# EAGLE board working (EAGLE 9.6.2), part 14 of 28 (continued)
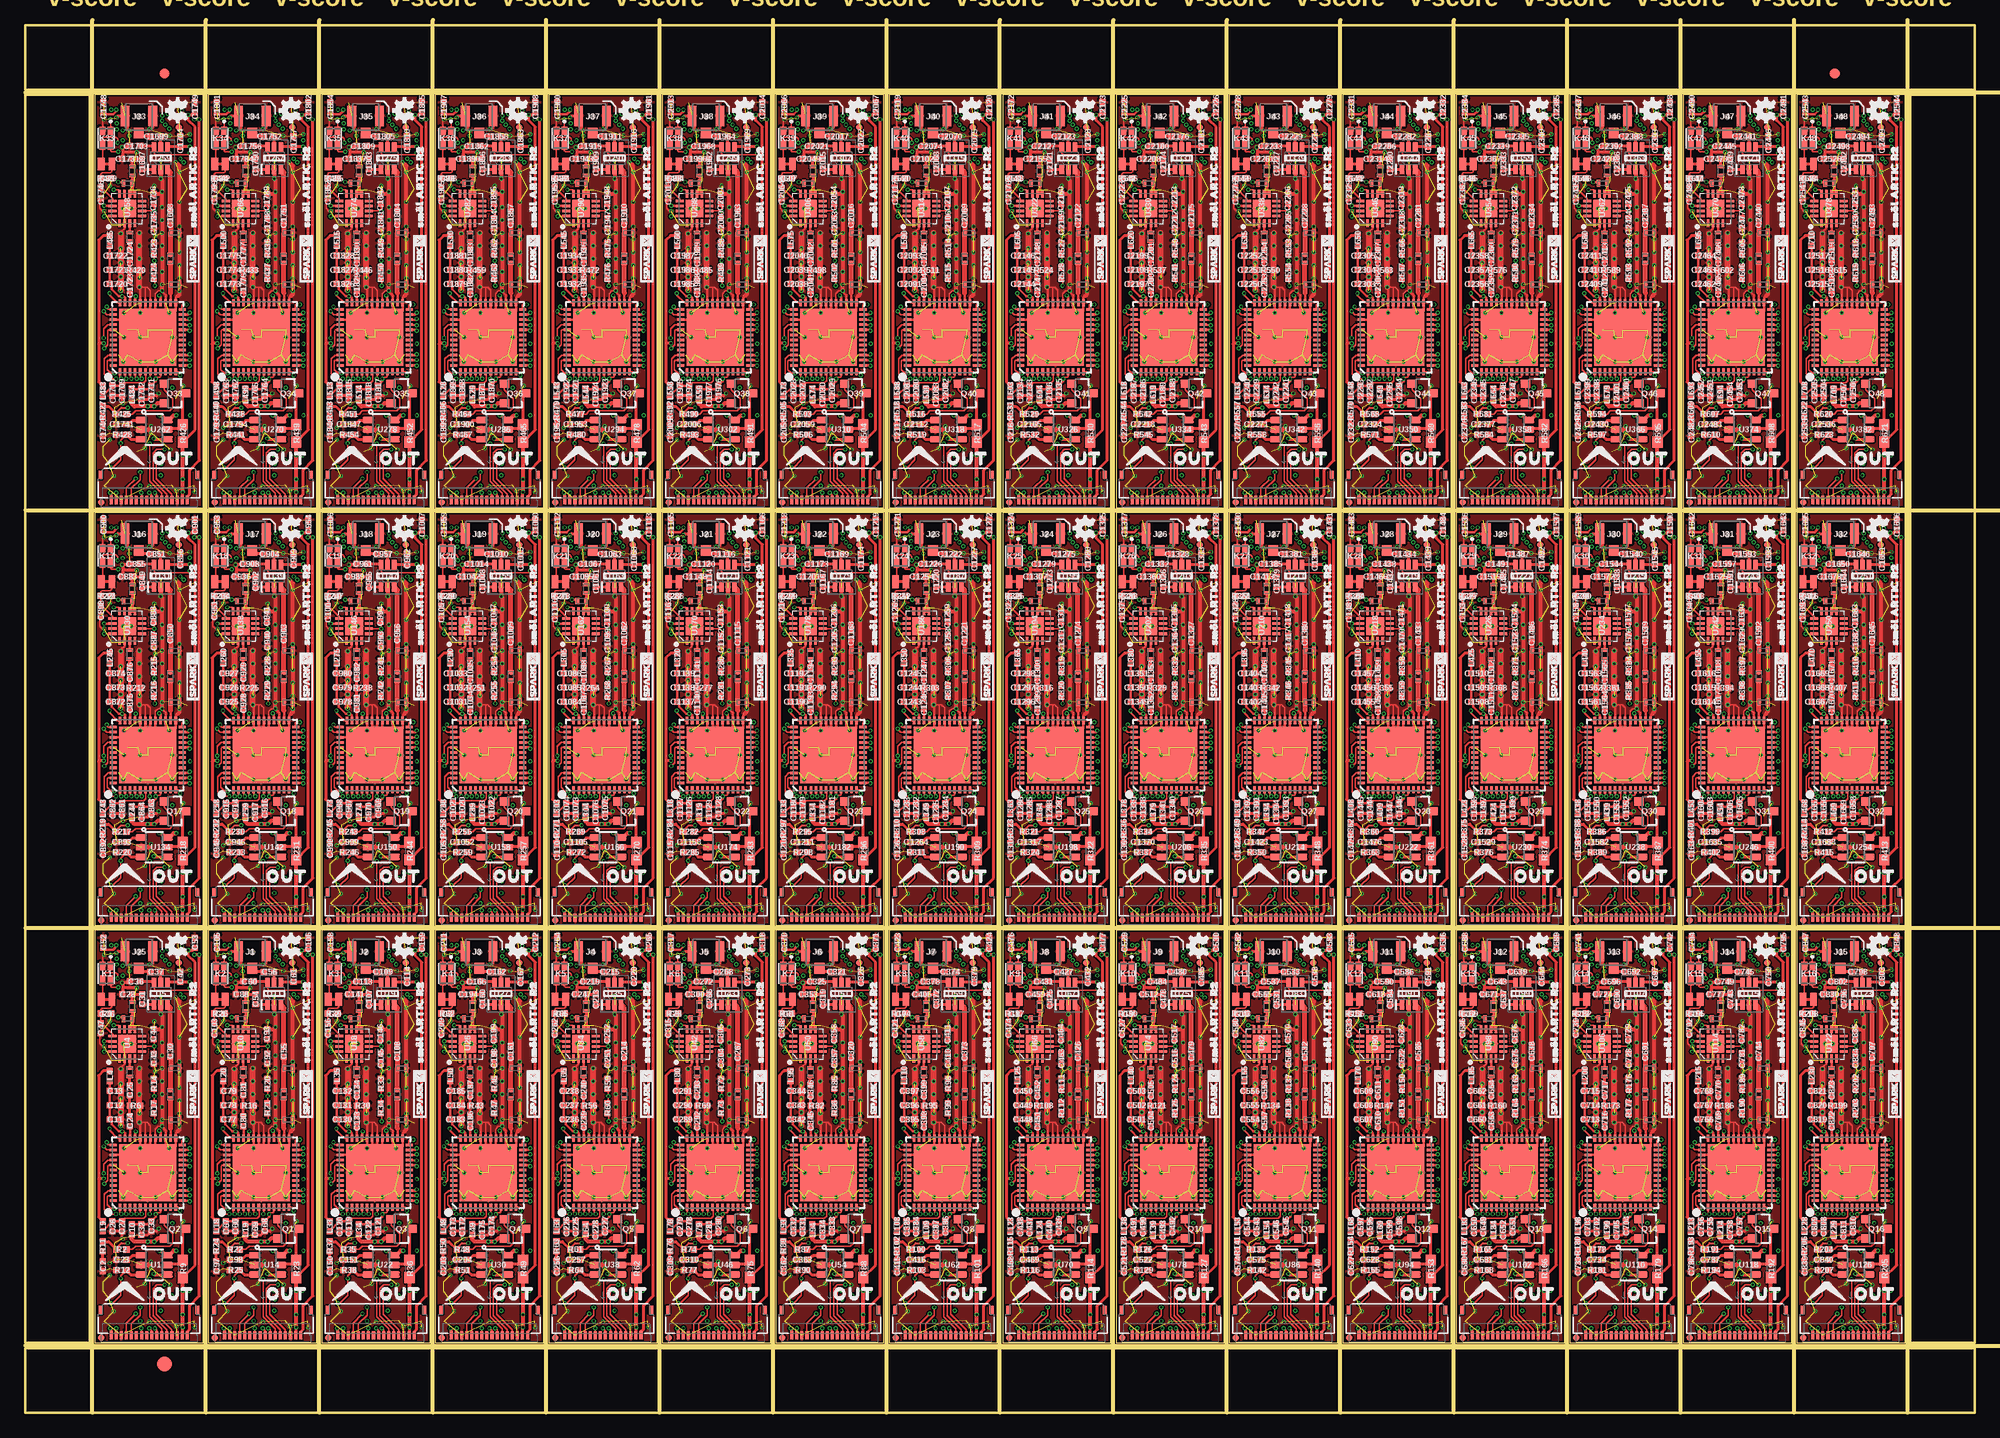
[diagram p0: board, top side]
## Tracks (layer width: path | path; a pad name or v marks a point on that pad's centre or on a via) (continued)
  Top 0.254: U377.15 183.73,104.17 v183.83,104.27
  Bottom 0.152: U383.1 183.76,102.48 183.32,102.92 183.32,103.76 v183.83,104.27 184.66,104.27 184.91,104.52 184.91,106.55 FLSH_CEN47.1
FLSH_SCLK  (via drill 0.2)
  Top 0.152: v15.24,19.88 15.24,20.07 15.08,20.22 U3.12
  Route15 0.152: v16.13,12 13.97,14.16 13.97,19.24 14.61,19.88 v15.24,19.88
  Bottom 0.152: U7.6 14.1,19.18 14.29,19.37 14.29,20.11 14.59,20.42 15,20.42 15.23,20.2 15.23,19.89 v15.24,19.88 | FLSH_SCLK.1 16.19,11.94 v16.13,12
FLSH_SCLK1  (via drill 0.2)
  Top 0.152: v26.42,19.88 26.42,20.07 26.26,20.22 U9.12
  Route15 0.152: v27.3,12 25.15,14.16 25.15,19.24 25.78,19.88 v26.42,19.88
  Bottom 0.152: U15.6 25.28,19.18 25.46,19.37 25.46,20.11 25.77,20.42 26.18,20.42 26.4,20.2 26.4,19.89 v26.42,19.88 | FLSH_SCLK1.1 27.37,11.94 v27.3,12
FLSH_SCLK2  (via drill 0.2)
  Top 0.152: v37.59,19.88 37.59,20.07 37.44,20.22 U17.12
  Route15 0.152: v38.48,12 36.32,14.16 36.32,19.24 36.96,19.88 v37.59,19.88
  Bottom 0.152: U23.6 36.45,19.18 36.64,19.37 36.64,20.11 36.95,20.42 37.35,20.42 37.58,20.2 37.58,19.89 v37.59,19.88 | FLSH_SCLK2.1 38.54,11.94 v38.48,12
FLSH_SCLK3  (via drill 0.2)
  Top 0.152: v48.77,19.88 48.77,20.07 48.61,20.22 U25.12
  Route15 0.152: v49.66,12 47.5,14.16 47.5,19.24 48.13,19.88 v48.77,19.88
  Bottom 0.152: U31.6 47.63,19.18 47.82,19.37 47.82,20.11 48.12,20.42 48.53,20.42 48.75,20.2 48.75,19.89 v48.77,19.88 | FLSH_SCLK3.1 49.72,11.94 v49.66,12
FLSH_SCLK4  (via drill 0.2)
  Top 0.152: v59.94,19.88 59.94,20.07 59.79,20.22 U33.12
  Route15 0.152: v60.83,12 58.67,14.16 58.67,19.24 59.31,19.88 v59.94,19.88
  Bottom 0.152: U39.6 58.8,19.18 58.99,19.37 58.99,20.11 59.3,20.42 59.71,20.42 59.93,20.2 59.93,19.89 v59.94,19.88 | FLSH_SCLK4.1 60.9,11.94 v60.83,12
FLSH_SCLK5  (via drill 0.2)
  Top 0.152: v71.12,19.88 71.12,20.07 70.96,20.22 U41.12
  Route15 0.152: v72.01,12 69.85,14.16 69.85,19.24 70.48,19.88 v71.12,19.88
  Bottom 0.152: U47.6 69.98,19.18 70.17,19.37 70.17,20.11 70.47,20.42 70.88,20.42 71.11,20.2 71.11,19.89 v71.12,19.88 | FLSH_SCLK5.1 72.07,11.94 v72.01,12
FLSH_SCLK6  (via drill 0.2)
  Top 0.152: v82.3,19.88 82.3,20.07 82.14,20.22 U49.12
  Route15 0.152: v83.19,12 81.03,14.16 81.03,19.24 81.66,19.88 v82.3,19.88
  Bottom 0.152: U55.6 81.16,19.18 81.34,19.37 81.34,20.11 81.65,20.42 82.06,20.42 82.28,20.2 82.28,19.89 v82.3,19.88 | FLSH_SCLK6.1 83.25,11.94 v83.19,12
FLSH_SCLK7  (via drill 0.2)
  Top 0.152: v93.47,19.88 93.47,20.07 93.32,20.22 U57.12
  Route15 0.152: v94.36,12 92.2,14.16 92.2,19.24 92.84,19.88 v93.47,19.88
  Bottom 0.152: U63.6 92.33,19.18 92.52,19.37 92.52,20.11 92.83,20.42 93.23,20.42 93.46,20.2 93.46,19.89 v93.47,19.88 | FLSH_SCLK7.1 94.42,11.94 v94.36,12
FLSH_SCLK8  (via drill 0.2)
  Top 0.152: v104.65,19.88 104.65,20.07 104.49,20.22 U65.12
  Route15 0.152: v105.54,12 103.38,14.16 103.38,19.24 104.01,19.88 v104.65,19.88
  Bottom 0.152: U71.6 103.51,19.18 103.7,19.37 103.7,20.11 104,20.42 104.41,20.42 104.63,20.2 104.63,19.89 v104.65,19.88 | FLSH_SCLK8.1 105.6,11.94 v105.54,12
FLSH_SCLK9  (via drill 0.2)
  Top 0.152: v115.82,19.88 115.82,20.07 115.67,20.22 U73.12
  Route15 0.152: v116.71,12 114.55,14.16 114.55,19.24 115.19,19.88 v115.82,19.88
  Bottom 0.152: U79.6 114.69,19.18 114.87,19.37 114.87,20.11 115.18,20.42 115.59,20.42 115.81,20.2 115.81,19.89 v115.82,19.88 | FLSH_SCLK9.1 116.78,11.94 v116.71,12
FLSH_SCLK10  (via drill 0.2)
  Top 0.152: v127,19.88 127,20.07 126.84,20.22 U81.12
  Route15 0.152: v127.89,12 125.73,14.16 125.73,19.24 126.37,19.88 v127,19.88
  Bottom 0.152: U87.6 125.86,19.18 126.05,19.37 126.05,20.11 126.35,20.42 126.76,20.42 126.99,20.2 126.99,19.89 v127,19.88 | FLSH_SCLK10.1 127.95,11.94 v127.89,12
FLSH_SCLK11  (via drill 0.2)
  Top 0.152: v138.18,19.88 138.18,20.07 138.02,20.22 U89.12
  Route15 0.152: v139.06,12 136.91,14.16 136.91,19.24 137.54,19.88 v138.18,19.88
  Bottom 0.152: U95.6 137.04,19.18 137.22,19.37 137.22,20.11 137.53,20.42 137.94,20.42 138.16,20.2 138.16,19.89 v138.18,19.88 | FLSH_SCLK11.1 139.13,11.94 v139.06,12
FLSH_SCLK12  (via drill 0.2)
  Top 0.152: v149.35,19.88 149.35,20.07 149.2,20.22 U97.12
  Route15 0.152: v150.24,12 148.08,14.16 148.08,19.24 148.72,19.88 v149.35,19.88
  Bottom 0.152: U103.6 148.21,19.18 148.4,19.37 148.4,20.11 148.71,20.42 149.12,20.42 149.34,20.2 149.34,19.89 v149.35,19.88 | FLSH_SCLK12.1 150.3,11.94 v150.24,12
FLSH_SCLK13  (via drill 0.2)
  Top 0.152: v160.53,19.88 160.53,20.07 160.37,20.22 U105.12
  Route15 0.152: v161.42,12 159.26,14.16 159.26,19.24 159.89,19.88 v160.53,19.88
  Bottom 0.152: U111.6 159.39,19.18 159.58,19.37 159.58,20.11 159.88,20.42 160.29,20.42 160.51,20.2 160.51,19.89 v160.53,19.88 | FLSH_SCLK13.1 161.48,11.94 v161.42,12
FLSH_SCLK14  (via drill 0.2)
  Top 0.152: v171.7,19.88 171.7,20.07 171.55,20.22 U113.12
  Route15 0.152: v172.59,12 170.43,14.16 170.43,19.24 171.07,19.88 v171.7,19.88
  Bottom 0.152: U119.6 170.56,19.18 170.75,19.37 170.75,20.11 171.06,20.42 171.47,20.42 171.69,20.2 171.69,19.89 v171.7,19.88 | FLSH_SCLK14.1 172.66,11.94 v172.59,12
FLSH_SCLK15  (via drill 0.2)
  Top 0.152: v182.88,19.88 182.88,20.07 182.72,20.22 U121.12
  Route15 0.152: v183.77,12 181.61,14.16 181.61,19.24 182.25,19.88 v182.88,19.88
  Bottom 0.152: U127.6 181.74,19.18 181.93,19.37 181.93,20.11 182.23,20.42 182.64,20.42 182.87,20.2 182.87,19.89 v182.88,19.88 | FLSH_SCLK15.1 183.83,11.94 v183.77,12
FLSH_SCLK16  (via drill 0.2)
  Top 0.152: v15.24,61.02 15.24,61.21 15.08,61.37 U129.12
  Route15 0.152: v16.13,53.15 13.97,55.31 13.97,60.39 14.61,61.02 v15.24,61.02
  Bottom 0.152: U135.6 14.1,60.33 14.29,60.51 14.29,61.26 14.59,61.57 15,61.57 15.23,61.35 15.23,61.04 v15.24,61.02 | FLSH_SCLK16.1 16.19,53.09 v16.13,53.15
FLSH_SCLK17  (via drill 0.2)
  Top 0.152: v26.42,61.02 26.42,61.21 26.26,61.37 U137.12
  Route15 0.152: v27.3,53.15 25.15,55.31 25.15,60.39 25.78,61.02 v26.42,61.02
  Bottom 0.152: U143.6 25.28,60.33 25.46,60.51 25.46,61.26 25.77,61.57 26.18,61.57 26.4,61.35 26.4,61.04 v26.42,61.02 | FLSH_SCLK17.1 27.37,53.09 v27.3,53.15
FLSH_SCLK18  (via drill 0.2)
  Top 0.152: v37.59,61.02 37.59,61.21 37.44,61.37 U145.12
  Route15 0.152: v38.48,53.15 36.32,55.31 36.32,60.39 36.96,61.02 v37.59,61.02
  Bottom 0.152: U151.6 36.45,60.33 36.64,60.51 36.64,61.26 36.95,61.57 37.35,61.57 37.58,61.35 v37.58,61.04 v37.59,61.02 | FLSH_SCLK18.1 38.54,53.09 v38.48,53.15
FLSH_SCLK19  (via drill 0.2)
  Top 0.152: v48.77,61.02 48.77,61.21 48.61,61.37 U153.12
  Route15 0.152: v49.66,53.15 47.5,55.31 47.5,60.39 48.13,61.02 v48.77,61.02
  Bottom 0.152: U159.6 47.63,60.33 47.82,60.51 47.82,61.26 48.12,61.57 48.53,61.57 48.75,61.35 48.75,61.04 v48.77,61.02 | FLSH_SCLK19.1 49.72,53.09 v49.66,53.15
FLSH_SCLK20  (via drill 0.2)
  Top 0.152: v59.94,61.02 59.94,61.21 59.79,61.37 U161.12
  Route15 0.152: v60.83,53.15 58.67,55.31 58.67,60.39 59.31,61.02 v59.94,61.02
  Bottom 0.152: U167.6 58.8,60.33 58.99,60.51 58.99,61.26 59.3,61.57 59.71,61.57 59.93,61.35 59.93,61.04 v59.94,61.02 | FLSH_SCLK20.1 60.9,53.09 v60.83,53.15
FLSH_SCLK21  (via drill 0.2)
  Top 0.152: v71.12,61.02 71.12,61.21 70.96,61.37 U169.12
  Route15 0.152: v72.01,53.15 69.85,55.31 69.85,60.39 70.48,61.02 v71.12,61.02
  Bottom 0.152: U175.6 69.98,60.33 70.17,60.51 70.17,61.26 70.47,61.57 70.88,61.57 71.11,61.35 71.11,61.04 v71.12,61.02 | FLSH_SCLK21.1 72.07,53.09 v72.01,53.15
FLSH_SCLK22  (via drill 0.2)
  Top 0.152: v82.3,61.02 82.3,61.21 82.14,61.37 U177.12
  Route15 0.152: v83.19,53.15 81.03,55.31 81.03,60.39 81.66,61.02 v82.3,61.02
  Bottom 0.152: U183.6 81.16,60.33 81.34,60.51 81.34,61.26 81.65,61.57 82.06,61.57 82.28,61.35 82.28,61.04 v82.3,61.02 | FLSH_SCLK22.1 83.25,53.09 v83.19,53.15
FLSH_SCLK23  (via drill 0.2)
  Top 0.152: v93.47,61.02 93.47,61.21 93.32,61.37 U185.12
  Route15 0.152: v94.36,53.15 92.2,55.31 92.2,60.39 92.84,61.02 v93.47,61.02
  Bottom 0.152: U191.6 92.33,60.33 92.52,60.51 92.52,61.26 92.83,61.57 93.23,61.57 93.46,61.35 v93.46,61.04 v93.47,61.02 | FLSH_SCLK23.1 94.42,53.09 v94.36,53.15
FLSH_SCLK24  (via drill 0.2)
  Top 0.152: v104.65,61.02 104.65,61.21 104.49,61.37 U193.12
  Route15 0.152: v105.54,53.15 103.38,55.31 103.38,60.39 104.01,61.02 v104.65,61.02
  Bottom 0.152: U199.6 103.51,60.33 103.7,60.51 103.7,61.26 104,61.57 104.41,61.57 104.63,61.35 104.63,61.04 v104.65,61.02 | FLSH_SCLK24.1 105.6,53.09 v105.54,53.15
FLSH_SCLK25  (via drill 0.2)
  Top 0.152: v115.82,61.02 115.82,61.21 115.67,61.37 U201.12
  Route15 0.152: v116.71,53.15 114.55,55.31 114.55,60.39 115.19,61.02 v115.82,61.02
  Bottom 0.152: U207.6 114.69,60.33 114.87,60.51 114.87,61.26 115.18,61.57 115.59,61.57 115.81,61.35 115.81,61.04 v115.82,61.02 | FLSH_SCLK25.1 116.78,53.09 v116.71,53.15
FLSH_SCLK26  (via drill 0.2)
  Top 0.152: v127,61.02 127,61.21 126.84,61.37 U209.12
  Route15 0.152: v127.89,53.15 125.73,55.31 125.73,60.39 126.37,61.02 v127,61.02
  Bottom 0.152: U215.6 125.86,60.33 126.05,60.51 126.05,61.26 126.35,61.57 126.76,61.57 126.99,61.35 126.99,61.04 v127,61.02 | FLSH_SCLK26.1 127.95,53.09 v127.89,53.15
FLSH_SCLK27  (via drill 0.2)
  Top 0.152: v138.18,61.02 138.18,61.21 138.02,61.37 U217.12
  Route15 0.152: v139.06,53.15 136.91,55.31 136.91,60.39 137.54,61.02 v138.18,61.02
  Bottom 0.152: U223.6 137.04,60.33 137.22,60.51 137.22,61.26 137.53,61.57 137.94,61.57 138.16,61.35 138.16,61.04 v138.18,61.02 | FLSH_SCLK27.1 139.13,53.09 v139.06,53.15
FLSH_SCLK28  (via drill 0.2)
  Top 0.152: v149.35,61.02 149.35,61.21 149.2,61.37 U225.12
  Route15 0.152: v150.24,53.15 148.08,55.31 148.08,60.39 148.72,61.02 v149.35,61.02
  Bottom 0.152: U231.6 148.21,60.33 148.4,60.51 148.4,61.26 148.71,61.57 149.12,61.57 149.34,61.35 v149.34,61.04 v149.35,61.02 | FLSH_SCLK28.1 150.3,53.09 v150.24,53.15
FLSH_SCLK29  (via drill 0.2)
  Top 0.152: v160.53,61.02 160.53,61.21 160.37,61.37 U233.12
  Route15 0.152: v161.42,53.15 159.26,55.31 159.26,60.39 159.89,61.02 v160.53,61.02
  Bottom 0.152: U239.6 159.39,60.33 159.58,60.51 159.58,61.26 159.88,61.57 160.29,61.57 160.51,61.35 160.51,61.04 v160.53,61.02 | FLSH_SCLK29.1 161.48,53.09 v161.42,53.15
FLSH_SCLK30  (via drill 0.2)
  Top 0.152: v171.7,61.02 171.7,61.21 171.55,61.37 U241.12
  Route15 0.152: v172.59,53.15 170.43,55.31 170.43,60.39 171.07,61.02 v171.7,61.02
  Bottom 0.152: U247.6 170.56,60.33 170.75,60.51 170.75,61.26 171.06,61.57 171.47,61.57 171.69,61.35 171.69,61.04 v171.7,61.02 | FLSH_SCLK30.1 172.66,53.09 v172.59,53.15
FLSH_SCLK31  (via drill 0.2)
  Top 0.152: v182.88,61.02 182.88,61.21 182.72,61.37 U249.12
  Route15 0.152: v183.77,53.15 181.61,55.31 181.61,60.39 182.25,61.02 v182.88,61.02
  Bottom 0.152: U255.6 181.74,60.33 181.93,60.51 181.93,61.26 182.23,61.57 182.64,61.57 182.87,61.35 182.87,61.04 v182.88,61.02 | FLSH_SCLK31.1 183.83,53.09 v183.77,53.15
FLSH_SCLK32  (via drill 0.2)
  Top 0.152: v15.24,102.17 15.24,102.36 15.08,102.52 U257.12
  Route15 0.152: v16.13,94.3 13.97,96.46 13.97,101.54 14.61,102.17 v15.24,102.17
  Bottom 0.152: U263.6 14.1,101.48 14.29,101.66 14.29,102.41 14.59,102.72 15,102.72 15.23,102.5 15.23,102.19 v15.24,102.17 | FLSH_SCLK32.1 16.19,94.23 v16.13,94.3
FLSH_SCLK33  (via drill 0.2)
  Top 0.152: v26.42,102.17 26.42,102.36 26.26,102.52 U265.12
  Route15 0.152: v27.3,94.3 25.15,96.46 25.15,101.54 25.78,102.17 v26.42,102.17
  Bottom 0.152: U271.6 25.28,101.48 25.46,101.66 25.46,102.41 25.77,102.72 26.18,102.72 26.4,102.5 26.4,102.19 v26.42,102.17 | FLSH_SCLK33.1 27.37,94.23 v27.3,94.3
FLSH_SCLK34  (via drill 0.2)
  Top 0.152: v37.59,102.17 37.59,102.36 37.44,102.52 U273.12
  Route15 0.152: v38.48,94.3 36.32,96.46 36.32,101.54 36.96,102.17 v37.59,102.17
  Bottom 0.152: U279.6 36.45,101.48 36.64,101.66 36.64,102.41 36.95,102.72 37.35,102.72 37.58,102.5 37.58,102.19 v37.59,102.17 | FLSH_SCLK34.1 38.54,94.23 v38.48,94.3
FLSH_SCLK35  (via drill 0.2)
  Top 0.152: v48.77,102.17 48.77,102.36 48.61,102.52 U281.12
  Route15 0.152: v49.66,94.3 47.5,96.46 47.5,101.54 48.13,102.17 v48.77,102.17
  Bottom 0.152: U287.6 47.63,101.48 47.82,101.66 47.82,102.41 48.12,102.72 48.53,102.72 48.75,102.5 48.75,102.19 v48.77,102.17 | FLSH_SCLK35.1 49.72,94.23 v49.66,94.3
FLSH_SCLK36  (via drill 0.2)
  Top 0.152: v59.94,102.17 59.94,102.36 59.79,102.52 U289.12
  Route15 0.152: v60.83,94.3 58.67,96.46 58.67,101.54 59.31,102.17 v59.94,102.17
  Bottom 0.152: U295.6 58.8,101.48 58.99,101.66 58.99,102.41 59.3,102.72 59.71,102.72 59.93,102.5 59.93,102.19 v59.94,102.17 | FLSH_SCLK36.1 60.9,94.23 v60.83,94.3
FLSH_SCLK37  (via drill 0.2)
  Top 0.152: v71.12,102.17 71.12,102.36 70.96,102.52 U297.12
  Route15 0.152: v72.01,94.3 69.85,96.46 69.85,101.54 70.48,102.17 v71.12,102.17
  Bottom 0.152: U303.6 69.98,101.48 70.17,101.66 70.17,102.41 70.47,102.72 70.88,102.72 71.11,102.5 71.11,102.19 v71.12,102.17 | FLSH_SCLK37.1 72.07,94.23 v72.01,94.3
FLSH_SCLK38  (via drill 0.2)
  Top 0.152: v82.3,102.17 82.3,102.36 82.14,102.52 U305.12
  Route15 0.152: v83.19,94.3 81.03,96.46 81.03,101.54 81.66,102.17 v82.3,102.17
  Bottom 0.152: U311.6 81.16,101.48 81.34,101.66 81.34,102.41 81.65,102.72 82.06,102.72 82.28,102.5 82.28,102.19 v82.3,102.17 | FLSH_SCLK38.1 83.25,94.23 v83.19,94.3
FLSH_SCLK39  (via drill 0.2)
  Top 0.152: v93.47,102.17 93.47,102.36 93.32,102.52 U313.12
  Route15 0.152: v94.36,94.3 92.2,96.46 92.2,101.54 92.84,102.17 v93.47,102.17
  Bottom 0.152: U319.6 92.33,101.48 92.52,101.66 92.52,102.41 92.83,102.72 93.23,102.72 93.46,102.5 93.46,102.19 v93.47,102.17 | FLSH_SCLK39.1 94.42,94.23 v94.36,94.3
FLSH_SCLK40  (via drill 0.2)
  Top 0.152: v104.65,102.17 104.65,102.36 104.49,102.52 U321.12
  Route15 0.152: v105.54,94.3 103.38,96.46 103.38,101.54 104.01,102.17 v104.65,102.17
  Bottom 0.152: U327.6 103.51,101.48 103.7,101.66 103.7,102.41 104,102.72 104.41,102.72 104.63,102.5 104.63,102.19 v104.65,102.17 | FLSH_SCLK40.1 105.6,94.23 v105.54,94.3
FLSH_SCLK41  (via drill 0.2)
  Top 0.152: v115.82,102.17 115.82,102.36 115.67,102.52 U329.12
  Route15 0.152: v116.71,94.3 114.55,96.46 114.55,101.54 115.19,102.17 v115.82,102.17
  Bottom 0.152: U335.6 114.69,101.48 114.87,101.66 114.87,102.41 115.18,102.72 115.59,102.72 115.81,102.5 115.81,102.19 v115.82,102.17 | FLSH_SCLK41.1 116.78,94.23 v116.71,94.3
FLSH_SCLK42  (via drill 0.2)
  Top 0.152: v127,102.17 127,102.36 126.84,102.52 U337.12
  Route15 0.152: v127.89,94.3 125.73,96.46 125.73,101.54 126.37,102.17 v127,102.17
  Bottom 0.152: U343.6 125.86,101.48 126.05,101.66 126.05,102.41 126.35,102.72 126.76,102.72 126.99,102.5 126.99,102.19 v127,102.17 | FLSH_SCLK42.1 127.95,94.23 v127.89,94.3
FLSH_SCLK43  (via drill 0.2)
  Top 0.152: v138.18,102.17 138.18,102.36 138.02,102.52 U345.12
  Route15 0.152: v139.06,94.3 136.91,96.46 136.91,101.54 137.54,102.17 v138.18,102.17
  Bottom 0.152: U351.6 137.04,101.48 137.22,101.66 137.22,102.41 137.53,102.72 137.94,102.72 138.16,102.5 138.16,102.19 v138.18,102.17 | FLSH_SCLK43.1 139.13,94.23 v139.06,94.3
FLSH_SCLK44  (via drill 0.2)
  Top 0.152: v149.35,102.17 149.35,102.36 149.2,102.52 U353.12
  Route15 0.152: v150.24,94.3 148.08,96.46 148.08,101.54 148.72,102.17 v149.35,102.17
  Bottom 0.152: U359.6 148.21,101.48 148.4,101.66 148.4,102.41 148.71,102.72 149.12,102.72 149.34,102.5 149.34,102.19 v149.35,102.17 | FLSH_SCLK44.1 150.3,94.23 v150.24,94.3
FLSH_SCLK45  (via drill 0.2)
  Top 0.152: v160.53,102.17 160.53,102.36 160.37,102.52 U361.12
  Route15 0.152: v161.42,94.3 159.26,96.46 159.26,101.54 159.89,102.17 v160.53,102.17
  Bottom 0.152: U367.6 159.39,101.48 159.58,101.66 159.58,102.41 159.88,102.72 160.29,102.72 160.51,102.5 160.51,102.19 v160.53,102.17 | FLSH_SCLK45.1 161.48,94.23 v161.42,94.3
FLSH_SCLK46  (via drill 0.2)
  Top 0.152: v171.7,102.17 171.7,102.36 171.55,102.52 U369.12
  Route15 0.152: v172.59,94.3 170.43,96.46 170.43,101.54 171.07,102.17 v171.7,102.17
  Bottom 0.152: U375.6 170.56,101.48 170.75,101.66 170.75,102.41 171.06,102.72 171.47,102.72 171.69,102.5 171.69,102.19 v171.7,102.17 | FLSH_SCLK46.1 172.66,94.23 v172.59,94.3
FLSH_SCLK47  (via drill 0.2)
  Top 0.152: v182.88,102.17 182.88,102.36 182.72,102.52 U377.12
  Route15 0.152: v183.77,94.3 181.61,96.46 181.61,101.54 182.25,102.17 v182.88,102.17
  Bottom 0.152: U383.6 181.74,101.48 181.93,101.66 181.93,102.41 182.23,102.72 182.64,102.72 182.87,102.5 182.87,102.19 v182.88,102.17 | FLSH_SCLK47.1 183.83,94.23 v183.77,94.3
FLSH_SI  (via drill 0.2)
  Top 0.254: U3.13 16.15,20.87 v16.19,20.83
  Route15 0.152: v16.19,20.83 16.19,20.13 14.73,18.67 v14.48,18.67 14.48,17.68 v16.22,15.94
  Bottom 0.152: U7.5 14.47,18.68 v14.48,18.67 | FLSH_SI.1 16.89,15.27 v16.22,15.94
FLSH_SI1  (via drill 0.2)
  Top 0.254: U9.13 27.32,20.87 v27.37,20.83
  Route15 0.152: v27.37,20.83 27.37,20.13 25.91,18.67 v25.65,18.67 25.65,17.68 v27.4,15.94
  Bottom 0.152: U15.5 25.64,18.68 v25.65,18.67 | FLSH_SI1.1 28.07,15.27 v27.4,15.94
FLSH_SI2  (via drill 0.2)
  Top 0.254: U17.13 38.5,20.87 v38.54,20.83
  Route15 0.152: v38.54,20.83 38.54,20.13 37.08,18.67 v36.83,18.67 36.83,17.68 v38.57,15.94
  Bottom 0.152: U23.5 36.82,18.68 v36.83,18.67 | FLSH_SI2.1 39.24,15.27 v38.57,15.94
FLSH_SI3  (via drill 0.2)
  Top 0.254: U25.13 49.68,20.87 v49.72,20.83
  Route15 0.152: v49.72,20.83 49.72,20.13 48.26,18.67 v48.01,18.67 48.01,17.68 v49.75,15.94
  Bottom 0.152: U31.5 47.99,18.68 v48.01,18.67 | FLSH_SI3.1 50.42,15.27 v49.75,15.94
FLSH_SI4  (via drill 0.2)
  Top 0.254: U33.13 60.85,20.87 v60.9,20.83
  Route15 0.152: v60.9,20.83 60.9,20.13 59.44,18.67 v59.18,18.67 59.18,17.68 v60.92,15.94
  Bottom 0.152: U39.5 59.17,18.68 v59.18,18.67 | FLSH_SI4.1 61.59,15.27 v60.92,15.94
FLSH_SI5  (via drill 0.2)
  Top 0.254: U41.13 72.03,20.87 v72.07,20.83
  Route15 0.152: v72.07,20.83 72.07,20.13 70.61,18.67 v70.36,18.67 70.36,17.68 v72.1,15.94
  Bottom 0.152: U47.5 70.35,18.68 v70.36,18.67 | FLSH_SI5.1 72.77,15.27 v72.1,15.94
FLSH_SI6  (via drill 0.2)
  Top 0.254: U49.13 83.2,20.87 v83.25,20.83
  Route15 0.152: v83.25,20.83 83.25,20.13 81.79,18.67 v81.53,18.67 81.53,17.68 v83.28,15.94
  Bottom 0.152: U55.5 81.52,18.68 v81.53,18.67 | FLSH_SI6.1 83.95,15.27 v83.28,15.94
FLSH_SI7  (via drill 0.2)
  Top 0.254: U57.13 94.38,20.87 v94.42,20.83
  Route15 0.152: v94.42,20.83 94.42,20.13 92.96,18.67 v92.71,18.67 92.71,17.68 v94.45,15.94
  Bottom 0.152: U63.5 92.7,18.68 v92.71,18.67 | FLSH_SI7.1 95.12,15.27 v94.45,15.94
FLSH_SI8  (via drill 0.2)
  Top 0.254: U65.13 105.56,20.87 v105.6,20.83
  Route15 0.152: v105.6,20.83 105.6,20.13 104.14,18.67 v103.89,18.67 103.89,17.68 v105.63,15.94
  Bottom 0.152: U71.5 103.87,18.68 v103.89,18.67 | FLSH_SI8.1 106.3,15.27 v105.63,15.94
FLSH_SI9  (via drill 0.2)
  Top 0.254: U73.13 116.73,20.87 v116.78,20.83
  Route15 0.152: v116.78,20.83 116.78,20.13 115.32,18.67 v115.06,18.67 115.06,17.68 v116.8,15.94
  Bottom 0.152: U79.5 115.05,18.68 v115.06,18.67 | FLSH_SI9.1 117.48,15.27 v116.8,15.94
FLSH_SI10  (via drill 0.2)
  Top 0.254: U81.13 127.91,20.87 v127.95,20.83
  Route15 0.152: v127.95,20.83 127.95,20.13 126.49,18.67 v126.24,18.67 126.24,17.68 v127.98,15.94
  Bottom 0.152: U87.5 126.23,18.68 v126.24,18.67 | FLSH_SI10.1 128.65,15.27 v127.98,15.94
FLSH_SI11  (via drill 0.2)
  Top 0.254: U89.13 139.08,20.87 v139.13,20.83
  Route15 0.152: v139.13,20.83 139.13,20.13 137.67,18.67 v137.41,18.67 137.41,17.68 v139.16,15.94
  Bottom 0.152: U95.5 137.4,18.68 v137.41,18.67 | FLSH_SI11.1 139.83,15.27 v139.16,15.94
FLSH_SI12  (via drill 0.2)
  Top 0.254: U97.13 150.26,20.87 v150.3,20.83
  Route15 0.152: v150.3,20.83 150.3,20.13 148.84,18.67 v148.59,18.67 148.59,17.68 v150.33,15.94
  Bottom 0.152: U103.5 148.58,18.68 v148.59,18.67 | FLSH_SI12.1 151,15.27 v150.33,15.94
FLSH_SI13  (via drill 0.2)
  Top 0.254: U105.13 161.44,20.87 v161.48,20.83
  Route15 0.152: v161.48,20.83 161.48,20.13 160.02,18.67 v159.77,18.67 159.77,17.68 v161.51,15.94
  Bottom 0.152: U111.5 159.75,18.68 v159.77,18.67 | FLSH_SI13.1 162.18,15.27 v161.51,15.94
FLSH_SI14  (via drill 0.2)
  Top 0.254: U113.13 172.61,20.87 v172.66,20.83
  Route15 0.152: v172.66,20.83 172.66,20.13 171.2,18.67 v170.94,18.67 170.94,17.68 v172.68,15.94
  Bottom 0.152: U119.5 170.93,18.68 v170.94,18.67 | FLSH_SI14.1 173.36,15.27 v172.68,15.94
FLSH_SI15  (via drill 0.2)
  Top 0.254: U121.13 183.79,20.87 v183.83,20.83
  Route15 0.152: v183.83,20.83 183.83,20.13 182.37,18.67 v182.12,18.67 182.12,17.68 v183.86,15.94
  Bottom 0.152: U127.5 182.11,18.68 v182.12,18.67 | FLSH_SI15.1 184.53,15.27 v183.86,15.94
FLSH_SI16  (via drill 0.2)
  Top 0.254: U129.13 16.15,62.02 v16.19,61.98
  Route15 0.152: v16.19,61.98 16.19,61.28 14.73,59.82 v14.48,59.82 14.48,58.83 v16.22,57.09
  Bottom 0.152: U135.5 14.47,59.83 v14.48,59.82 | FLSH_SI16.1 16.89,56.41 v16.22,57.09
FLSH_SI17  (via drill 0.2)
  Top 0.254: U137.13 27.32,62.02 v27.37,61.98
  Route15 0.152: v27.37,61.98 27.37,61.28 25.91,59.82 v25.65,59.82 25.65,58.83 v27.4,57.09
  Bottom 0.152: U143.5 25.64,59.83 v25.65,59.82 | FLSH_SI17.1 28.07,56.41 v27.4,57.09
FLSH_SI18  (via drill 0.2)
  Top 0.254: U145.13 38.5,62.02 v38.54,61.98
  Route15 0.152: v38.54,61.98 38.54,61.28 37.08,59.82 v36.83,59.82 36.83,58.83 v38.57,57.09
  Bottom 0.152: U151.5 v36.82,59.83 v36.83,59.82 | FLSH_SI18.1 39.24,56.41 v38.57,57.09
FLSH_SI19  (via drill 0.2)
  Top 0.254: U153.13 49.68,62.02 v49.72,61.98
  Route15 0.152: v49.72,61.98 49.72,61.28 48.26,59.82 v48.01,59.82 48.01,58.83 v49.75,57.09
  Bottom 0.152: U159.5 47.99,59.83 v48.01,59.82 | FLSH_SI19.1 50.42,56.41 v49.75,57.09
FLSH_SI20  (via drill 0.2)
  Top 0.254: U161.13 60.85,62.02 v60.9,61.98
  Route15 0.152: v60.9,61.98 60.9,61.28 59.44,59.82 v59.18,59.82 59.18,58.83 v60.92,57.09
  Bottom 0.152: U167.5 v59.17,59.83 v59.18,59.82 | FLSH_SI20.1 61.59,56.41 v60.92,57.09
FLSH_SI21  (via drill 0.2)
  Top 0.254: U169.13 72.03,62.02 v72.07,61.98
  Route15 0.152: v72.07,61.98 72.07,61.28 70.61,59.82 v70.36,59.82 70.36,58.83 v72.1,57.09
  Bottom 0.152: U175.5 70.35,59.83 v70.36,59.82 | FLSH_SI21.1 72.77,56.41 v72.1,57.09
FLSH_SI22  (via drill 0.2)
  Top 0.254: U177.13 83.2,62.02 v83.25,61.98
  Route15 0.152: v83.25,61.98 83.25,61.28 81.79,59.82 v81.53,59.82 81.53,58.83 v83.28,57.09
  Bottom 0.152: U183.5 81.52,59.83 v81.53,59.82 | FLSH_SI22.1 83.95,56.41 v83.28,57.09
FLSH_SI23  (via drill 0.2)
  Top 0.254: U185.13 94.38,62.02 v94.42,61.98
  Route15 0.152: v94.42,61.98 94.42,61.28 92.96,59.82 v92.71,59.82 92.71,58.83 v94.45,57.09
  Bottom 0.152: U191.5 v92.7,59.83 v92.71,59.82 | FLSH_SI23.1 95.12,56.41 v94.45,57.09
FLSH_SI24  (via drill 0.2)
  Top 0.254: U193.13 105.56,62.02 v105.6,61.98
  Route15 0.152: v105.6,61.98 105.6,61.28 104.14,59.82 v103.89,59.82 103.89,58.83 v105.63,57.09
  Bottom 0.152: U199.5 103.87,59.83 v103.89,59.82 | FLSH_SI24.1 106.3,56.41 v105.63,57.09
FLSH_SI25  (via drill 0.2)
  Top 0.254: U201.13 116.73,62.02 v116.78,61.98
  Route15 0.152: v116.78,61.98 116.78,61.28 115.32,59.82 v115.06,59.82 115.06,58.83 v116.8,57.09
  Bottom 0.152: U207.5 v115.05,59.83 v115.06,59.82 | FLSH_SI25.1 117.48,56.41 v116.8,57.09
FLSH_SI26  (via drill 0.2)
  Top 0.254: U209.13 127.91,62.02 v127.95,61.98
  Route15 0.152: v127.95,61.98 127.95,61.28 126.49,59.82 v126.24,59.82 126.24,58.83 v127.98,57.09
  Bottom 0.152: U215.5 126.23,59.83 v126.24,59.82 | FLSH_SI26.1 128.65,56.41 v127.98,57.09
FLSH_SI27  (via drill 0.2)
  Top 0.254: U217.13 139.08,62.02 v139.13,61.98
  Route15 0.152: v139.13,61.98 139.13,61.28 137.67,59.82 v137.41,59.82 137.41,58.83 v139.16,57.09
  Bottom 0.152: U223.5 137.4,59.83 v137.41,59.82 | FLSH_SI27.1 139.83,56.41 v139.16,57.09
FLSH_SI28  (via drill 0.2)
  Top 0.254: U225.13 150.26,62.02 v150.3,61.98
  Route15 0.152: v150.3,61.98 150.3,61.28 148.84,59.82 v148.59,59.82 148.59,58.83 v150.33,57.09
  Bottom 0.152: U231.5 v148.58,59.83 v148.59,59.82 | FLSH_SI28.1 151,56.41 v150.33,57.09
FLSH_SI29  (via drill 0.2)
  Top 0.254: U233.13 161.44,62.02 v161.48,61.98
  Route15 0.152: v161.48,61.98 161.48,61.28 160.02,59.82 v159.77,59.82 159.77,58.83 v161.51,57.09
  Bottom 0.152: U239.5 159.75,59.83 v159.77,59.82 | FLSH_SI29.1 162.18,56.41 v161.51,57.09
FLSH_SI30  (via drill 0.2)
  Top 0.254: U241.13 172.61,62.02 v172.66,61.98
  Route15 0.152: v172.66,61.98 172.66,61.28 171.2,59.82 v170.94,59.82 170.94,58.83 v172.68,57.09
  Bottom 0.152: U247.5 v170.93,59.83 v170.94,59.82 | FLSH_SI30.1 173.36,56.41 v172.68,57.09
FLSH_SI31  (via drill 0.2)
  Top 0.254: U249.13 183.79,62.02 v183.83,61.98
  Route15 0.152: v183.83,61.98 183.83,61.28 182.37,59.82 v182.12,59.82 182.12,58.83 v183.86,57.09
  Bottom 0.152: U255.5 182.11,59.83 v182.12,59.82 | FLSH_SI31.1 184.53,56.41 v183.86,57.09
FLSH_SI32  (via drill 0.2)
  Top 0.254: U257.13 16.15,103.17 v16.19,103.12
  Route15 0.152: v16.19,103.12 16.19,102.42 14.73,100.97 v14.48,100.97 14.48,99.98 v16.22,98.23
  Bottom 0.152: U263.5 14.47,100.98 v14.48,100.97 | FLSH_SI32.1 16.89,97.56 v16.22,98.23
FLSH_SI33  (via drill 0.2)
  Top 0.254: U265.13 27.32,103.17 v27.37,103.12
  Route15 0.152: v27.37,103.12 27.37,102.42 25.91,100.97 v25.65,100.97 25.65,99.98 v27.4,98.23
  Bottom 0.152: U271.5 25.64,100.98 v25.65,100.97 | FLSH_SI33.1 28.07,97.56 v27.4,98.23
FLSH_SI34  (via drill 0.2)